# Altium PCB SDR.PcbDoc (part 1 of 5) (continued)
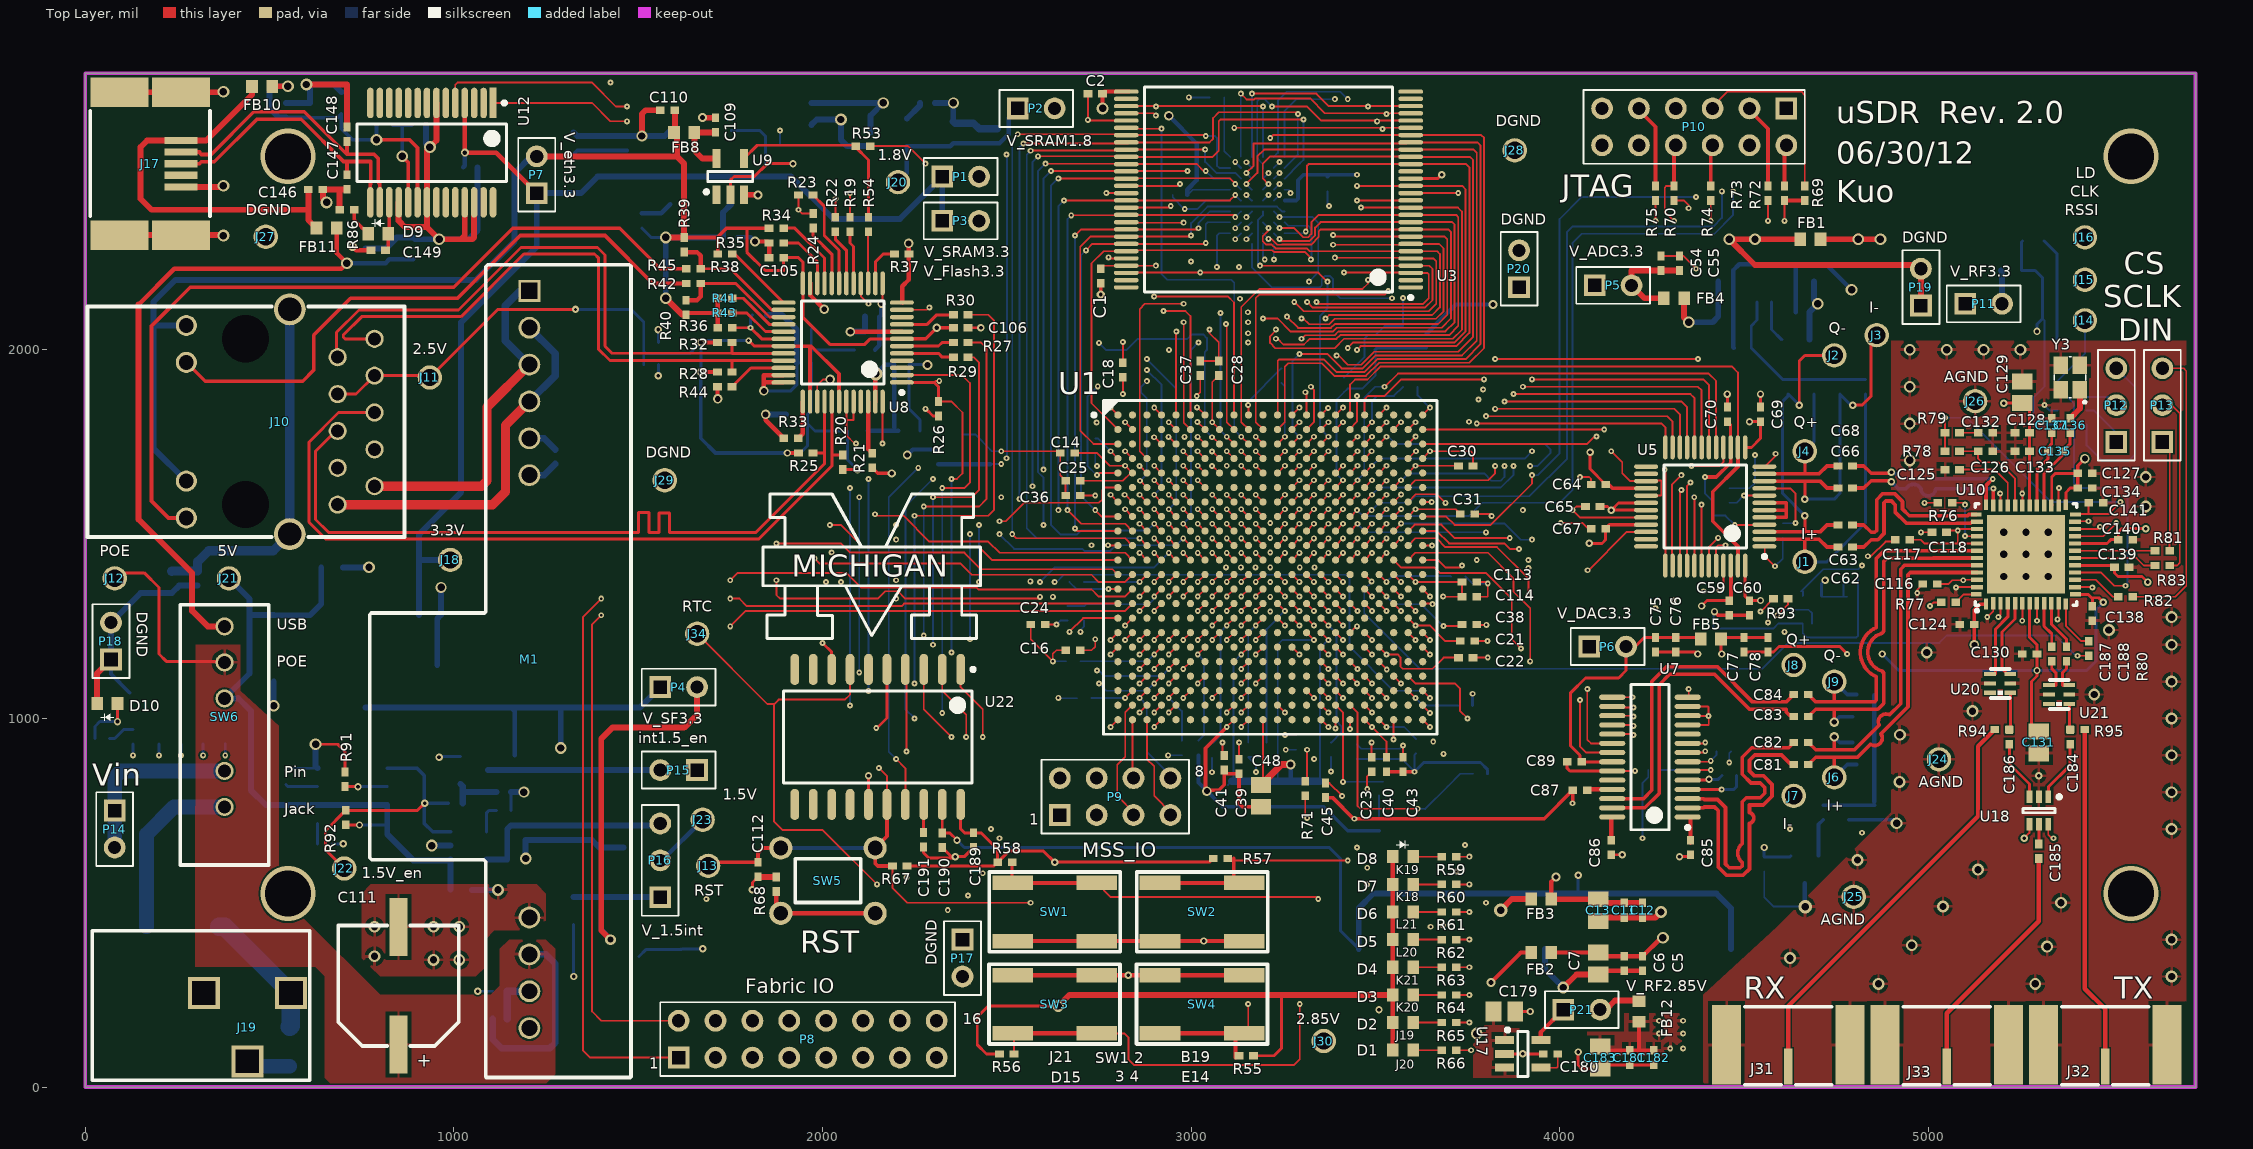
[diagram p0: Top Layer view]
## Components (designator, comment, footprint, x,y, rotation, side; value= is the part's Value field where it differs from the comment) (continued)
C127 "100pF" 0402 5425,1665 r180 top
C128 "0.1uF" 0402 5255,1775 r0 top
C129 "10uF" C0805 5255,1885 r90 top
C130 "100pF" 0402 5275,1175 r0 top
C131 "10uF" C0805 5300,935 r270 top
C132 "Cap Semi" 0402 5155,1775 r0 top
C133 "0.01uF" 0402 5255,1725 r0 top
C134 "0.01uF" 0402 5425,1625 r180 top
C135 "33pF" 0402 5345,1725 r180 top
C136 "1nF" 0402 5385,1795 r270 top
C137 "18pF" 0402 5335,1795 r270 top
C138 "100pF" 0402 5445,1285 r90 top
C139 "100pF" 0402 5525,1410 r180 top
C140 "0.01uF" 0402 5535,1485 r180 top
C141 "100pF" 0402 5455,1585 r180 top
C142 "0.1uF" 0402 1045,2495 r180 bottom
C143 "100pF" 0402 545,2650 r270 bottom
C144 "0.1uF" 0402 610,2650 r270 bottom
C145 "10uF" C0805 695,2670 r90 bottom
C146 "0.1uF" 0402 625,2435 r180 top
C147 "47pF" 0402 710,2455 r90 top
C148 "47pF" 0402 710,2585 r270 top
C149 "0.1uF" 0402 795,2270 r0 top
C150 "100pF" 0402 935.5,1205.5 r180 bottom
C151 "0.1uF" 0402 935.5,1145.5 r180 bottom
C152 "10uF" C0805 935.5,1280.5 r0 bottom
C153 "10uF" C0805 670,1410 r0 bottom
C154 "47uF" C1210 555,110 r90 bottom
C155 "100pF" 0402 2425,2580 r270 bottom
C156 "0.1uF" 0402 2475,2580 r270 bottom
C157 "100pF" 0402 815,2255 r270 bottom
C158 "0.1uF" 0402 760,2255 r270 bottom
C159 "10uF" C0805 1970,2640 r90 bottom
C160 "10uF" C0805 2355,2590 r90 bottom
C161 "10uF" C0805 890,2275 r90 bottom
C162 "0.01uF" 0402 2285,2670 r180 bottom
C163 "100pF" 0402 1195,690 r90 bottom
C164 "0.1uF" 0402 1375,690 r90 bottom
C165 "10uF" C0805 1020,535 r0 bottom
C166 "10uF" C0805 1460,680 r270 bottom
C167 "0.01uF" 0402 1135,750 r180 bottom
C168 "100pF" 0402 380,950 r90 bottom
C169 "0.1uF" 0402 320,950 r90 bottom
C170 "0.1uF" 0402 260,950 r90 bottom
C171 "0.1uF" 0402 200,950 r90 bottom
C172 "0.1uF" 0402 130,950 r90 bottom
C173 "10uF" C0805 150,1070 r180 bottom
C174 "100pF" 0402 1617.44,393.5 r90 bottom
C175 "0.1uF" 0402 1567.44,393.5 r90 bottom
C176 "10uF" C0805 1502.44,383.5 r270 bottom
C177 "0.1uF" 0402 650,660 r180 bottom
C178 "100pF" 0402 545,840 r270 bottom
C179 "10uF" C0805 3850,205 r0 top
C180 "0.01uF" 0402 3975,90 r0 top
C181 "100pF" 0402 4190,80 r90 top
C182 "0.1uF" 0402 4255,80 r90 top
C183 "10uF" C0805 4110,80 r270 top
C184 "100pF" 0402 5385,950 r90 top
C185 "100pF" 0402 5300,640 r90 top
C186 "100pF" 0402 5220,950 r90 top
C187 "Cap Semi" 0402 5335,1175 r270 top
C188 "Cap Semi" 0402 5375,1175 r270 top
C189 "0.1uF" 0402 2410,670 r90 top
C190 "0.1uF" 0402 2325,669.69 r90 top
C191 "0.1uF" 0402 2274,671 r90 top
D1 "LED2" 1608[0603] 3575,100 r0 top
D2 "LED2" 1608[0603] 3575,175 r0 top
D3 "LED2" 1608[0603] 3575,250 r0 top
D4 "LED2" 1608[0603] 3575,325 r0 top
D5 "LED2" 1608[0603] 3575,400 r0 top
D6 "LED2" 1608[0603] 3575,475 r0 top
D7 "LED2" 1608[0603] 3575,550 r0 top
D8 "LED2" 1608[0603] 3575,625 r0 top
D9 "LED2" 1608[0603] 795,2315 r180 top
D10 "LED2" 1608[0603] 60,1040 r180 top
FB1 "BLM18PG300SN1D" 1608[0603] 4680,2300 r180 top
FB2 "BLM18PG300SN1D" 1608[0603] 3950,365 r0 top
FB3 "BLM18PG300SN1D" 1608[0603] 3950,510 r0 top
FB4 "BLM18PG300SN1D" 1608[0603] 4310,2140 r0 top
FB5 "BLM18PG300SN1D" 1608[0603] 4410,1215 r0 top
FB6 "BLM18PG300SN1D" 1608[0603] 2115,2000 r180 bottom
FB7 "BLM18PG300SN1D" 1608[0603] 2095,1780 r180 bottom
FB8 "BLM18PG300SN1D" 1608[0603] 1625,2590 r180 top
FB9 "BLM18PG300SN1D" 1608[0603] 5225,2215 r0 bottom
FB10 "BLM18PG300SN1D" 1608[0603] 480,2715 r0 top
FB11 "BLM18PG300SN1D" 1608[0603] 655,2330 r0 top
FB12 "BLM18PG300SN1D" 1608[0603] 4215,205 r270 top
J1 "5004" TestPoint 4665,1425 r90 top
J2 "5004" TestPoint 4745,1985 r90 top
J3 "5004" TestPoint 4860,2040 r180 top
J4 "5004" TestPoint 4665,1725 r180 top
J5 "3002TR" 3002TR 3960,375 r0 bottom locked
J6 "5004" TestPoint 4745,840 r0 top
J7 "5004" TestPoint 4635,790 r0 top
J8 "5004" TestPoint 4635,1145 r0 top
J9 "5004" TestPoint 4745,1100 r0 top
J10 "7499211121A" 7499211121A 435,1805 r90 top locked
J11 "5004" TestPoint 935,1925 r0 top
J12 "5004" TestPoint 80,1380 r90 top
J13 "5004" TestPoint 1690,600 r90 top
J14 "5004" TestPoint 5425,2080 r90 top
J15 "5004" TestPoint 5425,2190 r90 top
J16 "5004" TestPoint 5425,2305 r90 top
J17 "54819-0572" "Mini USB" 260,2505 r0 top locked
J18 "5004" TestPoint 990,1430 r90 top
J19 "PJ-102AH" PJ-102AH 440,255 r90 top locked
J20 "5004" TestPoint 2205,2455 r90 top
J21 "5004" TestPoint 390,1380 r0 top
J22 "5004" TestPoint 703,593 r90 top
J23 "5004" TestPoint 1675,725 r90 top
J24 "5004" TestPoint 5029,889 r90 top
J25 "5004" TestPoint 4798,516 r90 top
J26 "5004" TestPoint 5127,1861 r90 top
J27 "5004" TestPoint 490,2307 r0 top
J28 "5004" TestPoint 3878,2541 r90 top
J29 "5004" TestPoint 1572,1646 r90 top
J30 "5004" TestPoint 3360,125 r90 top
J31 "142-0701-851" SMA_SMD 4620,100 r180 top
J32 "142-0701-851" SMA_SMD 5480,100 r180 top
J33 "142-0701-851" SMA_SMD 5050,100 r180 top
J34 "5004" TestPoint 1660,1230 r90 top
L1 "33nH" 0402 2315,1710 r90 bottom
L2 "33nH" 0402 3640,2025 r90 bottom
L3 "33nH" 0402 2665,1285 r90 bottom
L4 "FP3-8R2-R" FLAT-PAC 265,435 r270 bottom
M1 "AG9205S" AG9205S 1205,2160 r270 top locked
P1 "1 x 2 header" "1x2 header" 2375,2470 r0 top
P2 "1 x 2 header" "1x2 header" 2580,2655 r0 top
P3 "1 x 2 header" "1x2 header" 2375,2350 r0 top
P4 "1 x 2 header" "1x2 header" 1610,1085 r0 top
P5 "1 x 2 header" "1x2 header" 4145,2175 r0 top
P6 "1 x 2 header" "1x2 header" 4130,1195 r0 top
P7 "1 x 2 header" "1x2 header" 1225,2475 r90 top
P8 "2 x 8 header" "2x8 header" 1960,130 r0 top
P9 "2 x 4 header" "2x4 header" 2794,788 r0 top
P10 "2 x 6 header" "2x6 header, right angle" 4365,2605 r180 top locked
P11 "1 x 2 header" "1x2 header" 5150,2125 r0 top
P12 "1 x 3 header" "1x3 header" 5510,1850 r90 top
P13 "1 x 3 header" "1x3 header" 5635,1850 r90 top
P14 "1 x 2 header" "1x2 header" 80,700 r270 top
P15 "1 x 2 header" "1x2 header" 1610,860 r180 top
P16 "1 x 3 header" "1x3 header" 1560,615 r90 top
P17 "1 x 2 header" "1x2 header" 2380,350 r270 top
P18 "1 x 2 header" "1x2 header" 70,1210 r90 top
P19 "1 x 2 header" "1x2 header" 4980,2170 r90 top
P20 "1 x 2 header" "1x2 header" 3890,2220 r90 top
P21 "1 x 2 header" "1x2 header" 4060,210 r0 top
Q1 "MMBT2222A" SOT23-3N 1055,860 r0 bottom
Q2 "MMBT2222A" SOT23-3N 1362.44,478.5 r0 bottom
R1 "10K" 0402 3070,2685 r0 bottom
R2 "820" 0402 4555,2130 r0 bottom
R3 "Res3" 0402 4500,2065 r0 bottom
R4 "3.3K" 0402 4830,1900 r90 bottom
R5 "3.3K" 0402 4620,1900 r90 bottom
R6 "3.3K" 0402 4760,1900 r90 bottom
R7 "3.3K" 0402 4690,1900 r90 bottom
R8 "10K" 0402 4460,1605 r270 bottom
R9 "10K" 0402 4605,1510 r90 bottom
R10 "10K" 0402 4415,1570 r270 bottom
R11 "270" 0402 4715,745 r90 bottom
R12 "1.2K" 0402 4785,745 r270 bottom
R13 "3.3K" 0402 4825,875 r0 bottom
R14 "3.3K" 0402 4825,935 r0 bottom
R15 "3.3K" 0402 4825,1005 r0 bottom
R16 "3.3K" 0402 4825,1065 r0 bottom
R17 "10K" 0402 4260,860 r0 bottom
R18 "10K" 0402 4445,910 r180 bottom
R19 "33" 0402 2075,2340 r270 top
R20 "49.9" 0402 2055,1695 r90 top
R21 "10K" 0402 2135,1700 r270 top
R22 "33" 0402 2035,2340 r270 top
R23 "10K" 0402 1955,2420 r0 top
R24 "10K" 0402 1975,2350 r270 top
R25 "49.9" 0402 1955,1720 r0 top
R26 "4.7K" 0402 2315,1840 r270 top
R27 "33" 0402 2375,2020 r180 top
R28 "49.9" 0402 1735,1940 r0 top
R29 "33" 0402 2375,1980 r180 top
R30 "33" 0402 2375,2095 r180 top
R31 "Res3" 0402 1830,2095 r0 bottom
R32 "49.9" 0402 1735,2020 r0 top
R33 "6.49K" 0402 1915,1760 r180 top
R34 "10K" 0402 1875,2330 r0 top
R35 "10K" 0402 1875,2290 r0 top
R36 "4.7K" 0402 1735.32,2060 r180 top
R37 "10K" 0402 2215,2260 r180 top
R38 "4.7K" 0402 1735.32,2260 r180 top
R39 "10K" 0402 1625,2285 r90 top
R40 "10K" 0402 1630,2115 r270 top
R41 "10K" 0402 1735.32,2140 r180 top
R42 "270" 0402 1650,2180 r180 top
R43 "10K" 0402 1735.32,2100 r180 top
R44 "10K" 0402 1735,1900 r0 top
R45 "270" 0402 1650,2220 r180 top
R46 "5M" J1-0603 235,1370 r90 bottom
R47 "Res3" 0402 1125,185 r180 bottom
R48 "Res3" 0402 1125,260 r180 bottom
R49 "10K" 0402 1510,2350 r90 bottom
R50 "698" 0402 1275,1710 r270 bottom
R51 "33" 0402 1865,2555 r0 bottom
R52 "33" 0402 1865,2505 r0 bottom
R53 "33" 0402 2110,2552.6 r0 top
R54 "33" 0402 2125,2340 r270 top
R55 "10K" 0402 3150,85 r0 top
R56 "10K" 0402 2500,90 r180 top
R57 "10K" 0402 3080,620 r180 top
R58 "10K" 0402 2495,610 r180 top
R59 "750" 0402 3700,625 r180 top
R60 "750" 0402 3700,550 r180 top
R61 "750" 0402 3700,475 r180 top
R62 "750" 0402 3700,400 r180 top
R63 "750" 0402 3700,325 r180 top
R64 "750" 0402 3700,250 r180 top
R65 "750" 0402 3700,175 r180 top
R66 "750" 0402 3700,100 r180 top
R67 "10K" 0402 2210,600 r0 top
R68 "49.9" 0402 1875,550 r270 top
R69 "1K" 0402 4665,2425 r270 top
R70 "1K" 0402 4310,2425 r90 top
R71 "1K" 0402 3310,810 r90 top
R72 "33" 0402 4610,2425 r270 top
R73 "33" 0402 4565,2425 r90 top
R74 "33" 0402 4410,2425 r270 top
R75 "33" 0402 4260,2425 r90 top
R76 "1.2K" 0402 5045,1585 r0 top
R77 "1.2K" 0402 5055,1315 r0 top
R78 "750" 0402 5065,1725 r0 top
R79 "1.2K" 0402 5065,1775 r180 top
R80 "1.2K" 0402 5435,1190 r90 top
R81 "1.2K" 0402 5635,1455 r0 top
R82 "1.2K" 0402 5535,1330 r0 top
R83 "1.2K" 0402 5635,1415 r0 top
R84 "1K" 0402 810,2610 r180 bottom
R85 "1K" 0402 905,2610 r180 bottom
R86 "750" 0402 710,2380 r0 top
R87 "10K" 0402 1165,880 r90 bottom
R88 "1K" 0402 46,946 r180 bottom
R89 "10K" 0402 1005,770 r180 bottom
R90 "6.49K" 0402 1135,800 r0 bottom
R91 "10K" 0402 705,835 r270 top
R92 "10K" 0402 707,731 r90 top
R93 "1.2K" 0402 4600,1325 r0 top
R94 "Res3" 0402 5200,970 r0 top
R95 "Res3" 0402 5405,970 r180 top
SW1 "Switch 4-lead" KSC403 2630,475 r0 top
SW2 "Switch 4-lead" KSC403 3030,475 r0 top
SW3 "Switch 4-lead" KSC403 2630,225 r180 top
SW4 "Switch 4-lead" KSC403 3030,225 r180 top
SW5 "Switch 4-lead" "EVQPA PB" 2015,560 r180 top
SW6 "STS1400PC04" STS1400PC04 378,760 r90 top
U1 "A2F500M3G-FGG484" BGA100P22X22-484N 3215,1410 r0 top locked
U2 "MT45W8MW16BGX-701 IT TR" BGA54C75P9X6_1000X800X70 3180,2405 r180 bottom locked
U3 "S29GL064N90TFI010" TSSOP50P2000X120-56N 3210,2435 r180 top locked
U4 "MAX6061AEUR+T" SOT23-3N 4640,2065 r90 bottom
U5 "AD9288BSTZ-100" TSQFP50P900X900X160-48N 4395,1575 r180 top locked
U6 "MAX6061AEUR+T" SOT23-3N 4665,590 r270 bottom
U7 "MAX5189BEEI+" SOP63P600X173-28N 4245,895 r180 top locked
U8 "KSZ8721CL" TSQFP50P900X900X160-48N 2055,2020 r180 top
U9 "SN74LVC1G04DBVR" SOT23-5 1750,2470 r90 top
U10 "MAX2831ETM+" TQFN-48 5265,1445 r90 top
U11 "ADC081S101" SOT23-6 5390,1835 r0 bottom
U12 "FT232RL" SSOP65P780X200-28N 940,2535 r270 top
U13 "LT1117CST-3.3#PBF" SOT223-4L 635.5,1190.5 r0 bottom locked
U14 "TPS78918DBVR" SOT23-5 2180,2590 r0 bottom
U15 "TPS73115DBVT" SOT23-5 1040,655 r0 bottom
U16 "TL7702AIDR" SOIC127P600X175-8N 725,790 r0 bottom
U17 "REG102NA-2.85/250" SOT23-5 3900,90 r0 top
U18 "AS213-92LF" SOT363-6N 5300,750 r270 top
U19 "74AUP1GU04" SOT353-5N 4685,1295 r90 bottom
U20 "HHM1520A2" HHM1520A2 5195,1095 r180 top
U21 "HHM1520A2" HHM1520A2 5355,1065 r180 top
U22 "PCF2127A" SOIC127P1030X265-20N 2150,950 r270 top
Y1 "ABM3-20.000MHZ-B2-T" ABM3 3615,815 r0 bottom
Y2 "CB3LV-3C-50M0000" CB3_CB3LV 1670,2495 r90 bottom
Y3 "CX2520SB40000H0DZF08" CX-2520SB 5385,1925 r90 top

## Footprints (in the part's own frame and the unit in brackets; to place one, negate y for a bottom-side part, rotate by r counter-clockwise, add the part's x,y. Pads: shape width x height; smd on the part's side, far side on the other; paste and mask are expansions set on the pad)
"1x2 header" [mm] "1x2 header, 100 mils"
  rect 1.5x1.5 hole 0.9 square: 1(-1.27,0)
  round 1.5 hole 0.9: 2(1.27,0)
  silkscreen extent -2.54,-1.27 2.54,1.27, body extent -2.53,-1.26 2.53,1.26, height 8.38
"1x3 header" [mm] "1x3 header, 100 mils"
  rect 1.5x1.5 hole 0.9 square: 1(-2.54,0)
  round 1.5 hole 0.9: 2(0,0) 3(2.54,0)
  silkscreen extent -3.81,-1.27 3.81,1.27, body extent -3.8,-1.25 3.8,1.25, height 8.38
"2x4 header" [mm] "2x4 header, 100 mils"
  rect 1.5x1.5 hole 0.9 square: 1(-3.81,-1.27)
  round 1.5 hole 0.9: 2(-3.81,1.27) 3(-1.27,-1.27) 4(-1.27,1.27) 5(1.27,-1.27) 6(1.27,1.27) 7(3.81,-1.27) 8(3.81,1.27)
  silkscreen extent -5.08,-2.54 5.08,2.54, body extent -5.08,-2.53 5.08,2.54, height 8.38
"2x6 header, right angle" [mm] "2x6 header, 100 mils, right angle"
  rect 1.5x1.5 hole 0.9 square: 1(-6.35,-1.27)
  round 1.5 hole 0.9: 2(-6.35,1.27) 3(-3.81,-1.27) 4(-3.81,1.27) 5(-1.27,-1.27) 6(-1.27,1.27) 7(1.27,-1.27) 8(1.27,1.27) 9(3.81,-1.27) 10(3.81,1.27) 11(6.35,-1.27) 12(6.35,1.27)
  silkscreen extent -7.62,-2.54 7.62,2.54, body extent -7.63,-11.21 7.61,1.58, height 4.83
"2x8 header" [mm] "2x8 header, 100 mils"
  rect 1.5x1.5 hole 0.9 square: 1(-8.89,-1.27)
  round 1.5 hole 0.9: 2(-8.89,1.27) 3(-6.35,-1.27) 4(-6.35,1.27) 5(-3.81,-1.27) 6(-3.81,1.27) 7(-1.27,-1.27) 8(-1.27,1.27) 9(1.27,-1.27) 10(1.27,1.27) 11(3.81,-1.27) 12(3.81,1.27) 13(6.35,-1.27) 14(6.35,1.27) 15(8.89,-1.27) 16(8.89,1.27)
  silkscreen extent -10.16,-2.54 10.16,2.54, body extent -10.16,-2.54 10.16,2.54, height 8.38
0402 [mm] "Chip Capacitor, Body 1.0x0.5mm, IPC High Density"
  rect 0.6x0.5 smd: 1(-0.5,0) 2(0.5,0)
  body extent -0.55,-0.3 0.55,0.3, height 1.3
1608[0603] [mm] "Chip Capacitor, Body 1.6x0.8mm, IPC High Density"
  rect 0.8x0.9 smd: 1(-0.7,0) 2(0.7,0)
  body extent -0.87,-0.48 0.87,0.48, height 1.3
3002TR [mm] "Coin battery holder 20mm (dia)"
  rect 3.96x3.96 smd: neg(0,0)
  rect 5.08x5.08 smd: pos(-12.825,0) pos(12.825,0)
  silkscreen extent -10.29,-10.75 10.29,9.12, body extent -10.35,-10.71 10.27,9.1, height 3.96
7499211121A [mm] "RJ45 PoE"
  round 1.25 hole 0.9: 1(5.715,-8.89) 2(4.445,-6.35) 3(3.175,-8.89) 4(1.905,-6.35) 5(0.635,-8.89) 6(-0.635,-6.35) 7(-1.905,-8.89) 8(-3.175,-6.35) 9(-4.445,-8.89) 10(-5.715,-6.35)
  round 1.45 hole 1.02: 11(6.63,4.08) 12(4.09,4.08) 13(-4.09,4.08) 14(-6.63,4.08)
  round 2.2 hole 1.6: 15(7.745,-3.05) 16(-7.745,-3.05)
  round 0 hole 3.25: ""(-5.715,0) ""(5.715,0)
  silkscreen extent -7.94,-10.95 7.94,10.89, body extent -7.92,-10.95 7.95,10.87, height 13.95
ABM3 [mm] "ABM3 Crystal"
  rect 1.9x2.4 smd: 1(-2.05,0) 2(2.05,0)
  silkscreen extent -2.5,-1.6 2.5,1.6, body extent -2.75,-1.38 2.75,1.38, height 1.5
AG9205S [mm] "AG9205S 5V POE"
  rect 1.5x1.5 hole 1.1 square: 1(0,0)
  round 1.5 hole 1.1: 2(2.54,0) 3(5.08,0) 4(7.62,0) 5(10.16,0) 6(12.7,0) 7(43.18,0) 8(45.72,0) 9(48.26,0) 10(50.8,0)
  silkscreen extent -1.8,-11 54.2,7, body extent -1.75,-10.94 54.18,7.03, height 14
BGA54C75P9X6_1000X800X70 [mm] "BGA, 54-Leads, Body 10.0x8.0mm,  Pitch 0.75mm"
  round 0.3 smd: A1(-1.875,3) A2(-1.125,3) A3(-0.375,3) A4(0.375,3) A5(1.125,3) A6(1.875,3) B1(-1.875,2.25) B2(-1.125,2.25) B3(-0.375,2.25) B4(0.375,2.25) B5(1.125,2.25) B6(1.875,2.25) C1(-1.875,1.5) C2(-1.125,1.5) C3(-0.375,1.5) C4(0.375,1.5) C5(1.125,1.5) C6(1.875,1.5) D1(-1.875,0.75) D2(-1.125,0.75) D3(-0.375,0.75) D4(0.375,0.75) D5(1.125,0.75) D6(1.875,0.75) E1(-1.875,0) E2(-1.125,0) E3(-0.375,0) E4(0.375,0) E5(1.125,0) E6(1.875,0) F1(-1.875,-0.75) F2(-1.125,-0.75) F3(-0.375,-0.75) F4(0.375,-0.75) F5(1.125,-0.75) F6(1.875,-0.75) G1(-1.875,-1.5) G2(-1.125,-1.5) G3(-0.375,-1.5) G4(0.375,-1.5) G5(1.125,-1.5) G6(1.875,-1.5) H1(-1.875,-2.25) H2(-1.125,-2.25) H3(-0.375,-2.25) H4(0.375,-2.25) H5(1.125,-2.25) H6(1.875,-2.25) J1(-1.875,-3) J2(-1.125,-3) J3(-0.375,-3) J4(0.375,-3) J5(1.125,-3) J6(1.875,-3)
  silkscreen extent -4.78,-5 4,5, body extent -4,-5 4,5, height 0.7
BGA100P22X22-484N [mm] "484-Ball Fine Pitch Plastic Ball Grid Array (FG484) - Fully Populated"
  round 0.5 smd: A1(-10.5,10.5) A2(-9.5,10.5) A3(-8.5,10.5) A4(-7.5,10.5) A5(-6.5,10.5) A6(-5.5,10.5) A7(-4.5,10.5) A8(-3.5,10.5) A9(-2.5,10.5) A10(-1.5,10.5) A11(-0.5,10.5) A12(0.5,10.5) A13(1.5,10.5) A14(2.5,10.5) A15(3.5,10.5) A16(4.5,10.5) A17(5.5,10.5) A18(6.5,10.5) A19(7.5,10.5) A20(8.5,10.5) A21(9.5,10.5) A22(10.5,10.5) AA1(-10.5,-9.5) AA2(-9.5,-9.5) AA3(-8.5,-9.5) AA4(-7.5,-9.5) AA5(-6.5,-9.5) AA6(-5.5,-9.5) AA7(-4.5,-9.5) AA8(-3.5,-9.5) AA9(-2.5,-9.5) AA10(-1.5,-9.5) AA11(-0.5,-9.5) AA12(0.5,-9.5) AA13(1.5,-9.5) AA14(2.5,-9.5) AA15(3.5,-9.5) AA16(4.5,-9.5) AA17(5.5,-9.5) AA18(6.5,-9.5) AA19(7.5,-9.5) AA20(8.5,-9.5) AA21(9.5,-9.5) AA22(10.5,-9.5) AB1(-10.5,-10.5) AB2(-9.5,-10.5) AB3(-8.5,-10.5) AB4(-7.5,-10.5) AB5(-6.5,-10.5) AB6(-5.5,-10.5) AB7(-4.5,-10.5) AB8(-3.5,-10.5) AB9(-2.5,-10.5) AB10(-1.5,-10.5) AB11(-0.5,-10.5) AB12(0.5,-10.5) AB13(1.5,-10.5) AB14(2.5,-10.5) AB15(3.5,-10.5) AB16(4.5,-10.5) AB17(5.5,-10.5) AB18(6.5,-10.5) AB19(7.5,-10.5) AB20(8.5,-10.5) AB21(9.5,-10.5) AB22(10.5,-10.5) B1(-10.5,9.5) B2(-9.5,9.5) B3(-8.5,9.5) B4(-7.5,9.5) B5(-6.5,9.5) B6(-5.5,9.5) B7(-4.5,9.5) B8(-3.5,9.5) B9(-2.5,9.5) B10(-1.5,9.5) B11(-0.5,9.5) B12(0.5,9.5) B13(1.5,9.5) B14(2.5,9.5) B15(3.5,9.5) B16(4.5,9.5) B17(5.5,9.5) B18(6.5,9.5) B19(7.5,9.5) B20(8.5,9.5) B21(9.5,9.5) B22(10.5,9.5) C1(-10.5,8.5) C2(-9.5,8.5) C3(-8.5,8.5) C4(-7.5,8.5) C5(-6.5,8.5) C6(-5.5,8.5) C7(-4.5,8.5) C8(-3.5,8.5) C9(-2.5,8.5) C10(-1.5,8.5) C11(-0.5,8.5) C12(0.5,8.5) C13(1.5,8.5) C14(2.5,8.5) C15(3.5,8.5) C16(4.5,8.5) C17(5.5,8.5) C18(6.5,8.5) C19(7.5,8.5) C20(8.5,8.5) C21(9.5,8.5) C22(10.5,8.5) D1(-10.5,7.5) D2(-9.5,7.5) D3(-8.5,7.5) D4(-7.5,7.5) D5(-6.5,7.5) D6(-5.5,7.5) D7(-4.5,7.5) D8(-3.5,7.5) D9(-2.5,7.5) D10(-1.5,7.5) D11(-0.5,7.5) D12(0.5,7.5) D13(1.5,7.5) D14(2.5,7.5) D15(3.5,7.5) D16(4.5,7.5) D17(5.5,7.5) D18(6.5,7.5) D19(7.5,7.5) D20(8.5,7.5) D21(9.5,7.5) D22(10.5,7.5) E1(-10.5,6.5) E2(-9.5,6.5) E3(-8.5,6.5) E4(-7.5,6.5) E5(-6.5,6.5) E6(-5.5,6.5) E7(-4.5,6.5) E8(-3.5,6.5) E9(-2.5,6.5) E10(-1.5,6.5) E11(-0.5,6.5) E12(0.5,6.5) E13(1.5,6.5) E14(2.5,6.5) E15(3.5,6.5) E16(4.5,6.5) E17(5.5,6.5) E18(6.5,6.5) E19(7.5,6.5) E20(8.5,6.5) E21(9.5,6.5) E22(10.5,6.5) F1(-10.5,5.5) F2(-9.5,5.5) F3(-8.5,5.5) F4(-7.5,5.5) F5(-6.5,5.5) F6(-5.5,5.5) F7(-4.5,5.5) F8(-3.5,5.5) F9(-2.5,5.5) F10(-1.5,5.5) F11(-0.5,5.5) F12(0.5,5.5) F13(1.5,5.5) F14(2.5,5.5) F15(3.5,5.5) F16(4.5,5.5) F17(5.5,5.5) F18(6.5,5.5) F19(7.5,5.5) F20(8.5,5.5) F21(9.5,5.5) F22(10.5,5.5) G1(-10.5,4.5) G2(-9.5,4.5) G3(-8.5,4.5) G4(-7.5,4.5) G5(-6.5,4.5) G6(-5.5,4.5) G7(-4.5,4.5) G8(-3.5,4.5) G9(-2.5,4.5) G10(-1.5,4.5) G11(-0.5,4.5) G12(0.5,4.5) G13(1.5,4.5) G14(2.5,4.5) G15(3.5,4.5) G16(4.5,4.5) G17(5.5,4.5) G18(6.5,4.5) G19(7.5,4.5) G20(8.5,4.5) G21(9.5,4.5) G22(10.5,4.5) H1(-10.5,3.5) H2(-9.5,3.5) H3(-8.5,3.5) H4(-7.5,3.5) H5(-6.5,3.5) H6(-5.5,3.5) H7(-4.5,3.5) H8(-3.5,3.5) H9(-2.5,3.5) H10(-1.5,3.5) H11(-0.5,3.5) H12(0.5,3.5) H13(1.5,3.5) H14(2.5,3.5) H15(3.5,3.5) H16(4.5,3.5) H17(5.5,3.5) H18(6.5,3.5) H19(7.5,3.5) H20(8.5,3.5) H21(9.5,3.5) H22(10.5,3.5) J1(-10.5,2.5) J2(-9.5,2.5) J3(-8.5,2.5) J4(-7.5,2.5) J5(-6.5,2.5) J6(-5.5,2.5) J7(-4.5,2.5) J8(-3.5,2.5) J9(-2.5,2.5) J10(-1.5,2.5) J11(-0.5,2.5) J12(0.5,2.5) J13(1.5,2.5) J14(2.5,2.5) J15(3.5,2.5) J16(4.5,2.5) J17(5.5,2.5) J18(6.5,2.5) J19(7.5,2.5) J20(8.5,2.5) J21(9.5,2.5) J22(10.5,2.5) K1(-10.5,1.5) K2(-9.5,1.5) K3(-8.5,1.5) K4(-7.5,1.5) K5(-6.5,1.5) K6(-5.5,1.5) K7(-4.5,1.5) K8(-3.5,1.5) K9(-2.5,1.5) K10(-1.5,1.5) K11(-0.5,1.5) K12(0.5,1.5) K13(1.5,1.5) K14(2.5,1.5) K15(3.5,1.5) K16(4.5,1.5) K17(5.5,1.5) K18(6.5,1.5) K19(7.5,1.5) K20(8.5,1.5) K21(9.5,1.5) K22(10.5,1.5) L1(-10.5,0.5) L2(-9.5,0.5) L3(-8.5,0.5) L4(-7.5,0.5) L5(-6.5,0.5) L6(-5.5,0.5) L7(-4.5,0.5) L8(-3.5,0.5) L9(-2.5,0.5) L10(-1.5,0.5) L11(-0.5,0.5) L12(0.5,0.5) L13(1.5,0.5) L14(2.5,0.5) L15(3.5,0.5) L16(4.5,0.5) L17(5.5,0.5) L18(6.5,0.5) L19(7.5,0.5) L20(8.5,0.5) L21(9.5,0.5) L22(10.5,0.5) M1(-10.5,-0.5) M2(-9.5,-0.5) M3(-8.5,-0.5) M4(-7.5,-0.5) M5(-6.5,-0.5) M6(-5.5,-0.5) M7(-4.5,-0.5) M8(-3.5,-0.5) M9(-2.5,-0.5) M10(-1.5,-0.5) M11(-0.5,-0.5) M12(0.5,-0.5) M13(1.5,-0.5) M14(2.5,-0.5) M15(3.5,-0.5) M16(4.5,-0.5) M17(5.5,-0.5) M18(6.5,-0.5) M19(7.5,-0.5) M20(8.5,-0.5) M21(9.5,-0.5) M22(10.5,-0.5) N1(-10.5,-1.5) N2(-9.5,-1.5) N3(-8.5,-1.5) N4(-7.5,-1.5) N5(-6.5,-1.5) N6(-5.5,-1.5) N7(-4.5,-1.5) N8(-3.5,-1.5) N9(-2.5,-1.5) N10(-1.5,-1.5) N11(-0.5,-1.5) N12(0.5,-1.5) N13(1.5,-1.5) N14(2.5,-1.5) N15(3.5,-1.5) N16(4.5,-1.5) N17(5.5,-1.5) N18(6.5,-1.5) N19(7.5,-1.5) N20(8.5,-1.5) N21(9.5,-1.5) N22(10.5,-1.5) P1(-10.5,-2.5) P2(-9.5,-2.5) P3(-8.5,-2.5) P4(-7.5,-2.5) P5(-6.5,-2.5) P6(-5.5,-2.5) P7(-4.5,-2.5) P8(-3.5,-2.5) P9(-2.5,-2.5) P10(-1.5,-2.5) P11(-0.5,-2.5) P12(0.5,-2.5) P13(1.5,-2.5) P14(2.5,-2.5) P15(3.5,-2.5) P16(4.5,-2.5) P17(5.5,-2.5) P18(6.5,-2.5) P19(7.5,-2.5) P20(8.5,-2.5) P21(9.5,-2.5) P22(10.5,-2.5) R1(-10.5,-3.5) R2(-9.5,-3.5) R3(-8.5,-3.5) R4(-7.5,-3.5) R5(-6.5,-3.5) R6(-5.5,-3.5) R7(-4.5,-3.5) R8(-3.5,-3.5) R9(-2.5,-3.5) R10(-1.5,-3.5) R11(-0.5,-3.5) R12(0.5,-3.5) R13(1.5,-3.5) R14(2.5,-3.5) R15(3.5,-3.5) R16(4.5,-3.5) R17(5.5,-3.5) R18(6.5,-3.5) R19(7.5,-3.5) R20(8.5,-3.5) R21(9.5,-3.5) R22(10.5,-3.5) T1(-10.5,-4.5) T2(-9.5,-4.5) T3(-8.5,-4.5) T4(-7.5,-4.5) T5(-6.5,-4.5) T6(-5.5,-4.5) T7(-4.5,-4.5) T8(-3.5,-4.5) T9(-2.5,-4.5) T10(-1.5,-4.5) T11(-0.5,-4.5) T12(0.5,-4.5) T13(1.5,-4.5) T14(2.5,-4.5) T15(3.5,-4.5) T16(4.5,-4.5) T17(5.5,-4.5) T18(6.5,-4.5) T19(7.5,-4.5) T20(8.5,-4.5) T21(9.5,-4.5) T22(10.5,-4.5) U1(-10.5,-5.5) U2(-9.5,-5.5) U3(-8.5,-5.5) U4(-7.5,-5.5) U5(-6.5,-5.5) U6(-5.5,-5.5) U7(-4.5,-5.5) U8(-3.5,-5.5) U9(-2.5,-5.5) U10(-1.5,-5.5) U11(-0.5,-5.5) U12(0.5,-5.5) U13(1.5,-5.5) U14(2.5,-5.5) U15(3.5,-5.5) U16(4.5,-5.5) U17(5.5,-5.5) U18(6.5,-5.5) U19(7.5,-5.5) U20(8.5,-5.5) U21(9.5,-5.5) U22(10.5,-5.5) V1(-10.5,-6.5) V2(-9.5,-6.5) V3(-8.5,-6.5) V4(-7.5,-6.5) V5(-6.5,-6.5) V6(-5.5,-6.5) V7(-4.5,-6.5) V8(-3.5,-6.5) V9(-2.5,-6.5) V10(-1.5,-6.5) V11(-0.5,-6.5) V12(0.5,-6.5) V13(1.5,-6.5) V14(2.5,-6.5) V15(3.5,-6.5) V16(4.5,-6.5) V17(5.5,-6.5) V18(6.5,-6.5) V19(7.5,-6.5) V20(8.5,-6.5) V21(9.5,-6.5) V22(10.5,-6.5) W1(-10.5,-7.5) W2(-9.5,-7.5) W3(-8.5,-7.5) W4(-7.5,-7.5) W5(-6.5,-7.5) W6(-5.5,-7.5) W7(-4.5,-7.5) W8(-3.5,-7.5) W9(-2.5,-7.5) W10(-1.5,-7.5) W11(-0.5,-7.5) W12(0.5,-7.5) W13(1.5,-7.5) W14(2.5,-7.5) W15(3.5,-7.5) W16(4.5,-7.5) W17(5.5,-7.5) W18(6.5,-7.5) W19(7.5,-7.5) W20(8.5,-7.5) W21(9.5,-7.5) W22(10.5,-7.5) Y1(-10.5,-8.5) Y2(-9.5,-8.5) Y3(-8.5,-8.5) Y4(-7.5,-8.5) Y5(-6.5,-8.5) Y6(-5.5,-8.5) Y7(-4.5,-8.5) Y8(-3.5,-8.5) Y9(-2.5,-8.5) Y10(-1.5,-8.5) Y11(-0.5,-8.5) Y12(0.5,-8.5) Y13(1.5,-8.5) Y14(2.5,-8.5) Y15(3.5,-8.5) Y16(4.5,-8.5) Y17(5.5,-8.5) Y18(6.5,-8.5) Y19(7.5,-8.5) Y20(8.5,-8.5) Y21(9.5,-8.5) Y22(10.5,-8.5)
  silkscreen extent -12.27,-11.5 11.5,11.5, body extent -11.2,-11.22 11.22,11.2, height 2
C0805 [mm] "Chip Capacitor, Body 2.0x1.3mm, IPC High Density"
  rect 1.1x1.4 smd: 1(-0.75,0) 2(0.75,0)
  body extent -1.1,-0.72 1.1,0.72, height 1.4
C1210 [mm] "Chip Capacitor, Body 3.2x2.5mm, IPC High Density"
  rect 1.1x2.6 smd: 1(-1.35,0) 2(1.35,0)
  silkscreen extent -0.4,-1.2 0.4,1.2, body extent -1.7,-1.35 1.7,1.35, height 1.3
CB3_CB3LV [mm] "CBS Crystal"
  rect 1.8x2 smd: 1(-2.54,-2.1) 2(2.54,-2.1) 3(2.54,2.1) 4(-2.54,2.1)
  silkscreen extent -3.86,-2.6 3.75,2.6, body extent -3.25,-2.88 3.25,2.88, height 1.5
CX-2520SB [mm]
  rect 1.2x1 smd: 1(-0.85,-0.65) 2(0.85,-0.65) 3(0.85,0.65) 4(-0.85,0.65)
  silkscreen extent -1.75,-1.07 1.43,1.1, body extent -1.25,-1 1.25,1, height 0.45
"EVQPA PB" [mm] "Panasonic EVQPA Switch"
  round 1.6 hole 1: 1(-3.25,2.25) 2(-3.25,-2.25) 3(3.25,2.25) 4(3.25,-2.25)
  silkscreen extent -2.25,-1.5 2.25,1.5, body extent -3.5,-3 3.5,3, height 2.5
FLAT-PAC [mm]
  rect 4.5x2.5 smd: 1(0,-2.5) 2(0,2.5)
  silkscreen extent -2.5,-4 2.5,4, body extent -1.95,-3.49 1.95,3.49, height 1
HHM1520A2 [mm] "TDK chip balun"
  rect 0.8x0.3 smd: 1(-0.7,0.65) 2(-0.7,0) 3(-0.7,-0.65) 4(0.7,-0.65) 5(0.7,0) 6(0.7,0.65)
  silkscreen extent -0.65,-1 0.65,1, body extent -0.77,-1 0.77,1, height 1.5
J1-0603 [mm] "Chip Resistor, Body 1.6x0.8mm, IPC High Density"
  rect 0.7x0.9 smd: 1(-0.75,0) 2(0.75,0)
  silkscreen extent -0.2,-0.35 0.2,0.35, body extent -0.85,-0.48 0.85,0.48, height 0.9
KSC403 [mm] "KSC403 Series switch"
  rect 2.8x1 smd: 1(-2.9,2) 2(-2.9,-2) 3(2.9,2) 4(2.9,-2)
  silkscreen extent -4.5,-2.75 4.52,2.75, body extent -2.73,-2.5 2.75,2.5, height 6
"Mini USB" [mm]
  rect 2.25x0.5 smd: 1(0,1.6) 2(0,0.8) 3(0,0) 4(0,-0.8) 5(0,-1.6)
  rect 4x2.05 smd: 6(-4.25,-4.925) 6(-4.25,4.925) 6(0,-4.925) 6(0,4.925)
  silkscreen extent -6.25,-3.62 2,3.62
PJ-102AH [mm] "Power Jack"
  rect 2.2x2.2 hole 1.6 square: 1(0,-3) 2(0,3) 3(-4.7,0)
  silkscreen extent -6,-4.3 4.3,10.7, body extent -5.75,-3.99 4.08,10.89, height 10
SMA_SMD [mm]
  rect 0.6x2.5 smd: 1(0,1.125)
  rect 2x5.5 smd: 2(-4.25,-0.375) 2(4.25,-0.375)
  rect 2x5.5 smd far side: 2(-4.25,-0.375) 2(4.25,-0.375)
  silkscreen extent -3,-3 3,2.37, body extent -5.13,-2.25 5.13,9, height 4
"SMT Al Cap." [mm] "Panasonic SMT Al Cap. Series:S Type:V,  Size code:G"
  rect 1.25x4 smd: +(0,-4.05) -(0,4.05)
  silkscreen extent -4.15,-4.15 4.15,4.15, body extent -4.15,-4.15 4.15,4.15, height 10.2
SOIC127P600X175-8N [mm] "SOIC, 8-Leads, Body 5.0x4.0mm (max), Pitch 1.27mm, IPC Medium Density"
  oval 2.2x0.6 smd: 1(-2.4,1.905) 2(-2.4,0.635) 3(-2.4,-0.635) 4(-2.4,-1.905) 5(2.4,-1.905) 6(2.4,-0.635) 7(2.4,0.635) 8(2.4,1.905)
  silkscreen extent -2.52,-2.5 0.9,2.88, body extent -2,-2.5 2,2.5, height 1.75
SOIC127P1030X265-20N [mm] "SOIC, 20-Leads, Body 13.0x7.6mm (max), Pitch 1.27mm, IPC Medium Density"
  oval 2.15x0.6 smd: 1(-4.65,5.715) 2(-4.65,4.445) 3(-4.65,3.175) 4(-4.65,1.905) 5(-4.65,0.635) 6(-4.65,-0.635) 7(-4.65,-1.905) 8(-4.65,-3.175) 9(-4.65,-4.445) 10(-4.65,-5.715) 11(4.65,-5.715) 12(4.65,-4.445) 13(4.65,-3.175) 14(4.65,-1.905) 15(4.65,-0.635) 16(4.65,0.635) 17(4.65,1.905) 18(4.65,3.175) 19(4.65,4.445) 20(4.65,5.715)
  silkscreen extent -4.77,-6.5 3.18,6.69, body extent -3.8,-6.5 3.8,6.5, height 2.65
SOP63P600X173-28N [mm] "SOP, 28-Leads, Body 10.0x4.0mm (max), Pitch 0.63mm, IPC Medium Density"
  oval 1.8x0.35 smd: 1(-2.6,4.127) 2(-2.6,3.492) 3(-2.6,2.857) 4(-2.6,2.222) 5(-2.6,1.587) 6(-2.6,0.952) 7(-2.6,0.317) 8(-2.6,-0.318) 9(-2.6,-0.953) 10(-2.6,-1.588) 11(-2.6,-2.223) 12(-2.6,-2.858) 13(-2.6,-3.492) 14(-2.6,-4.127) 15(2.6,-4.127) 16(2.6,-3.492) 17(2.6,-2.857) 18(2.6,-2.222) 19(2.6,-1.587) 20(2.6,-0.952) 21(2.6,-0.317) 22(2.6,0.318) 23(2.6,0.953) 24(2.6,1.588) 25(2.6,2.223) 26(2.6,2.858) 27(2.6,3.492) 28(2.6,4.127)
  silkscreen extent -2.73,-5 1.3,5, body extent -1.99,-4.99 1.99,4.99, height 1.73
SOT23-3N [mm] "SOT23, 3-Leads, Body 2.9x1.3mm, Pitch 0.95mm, Lead Span 2.5mm, IPC Medium Density"
  rect 1.5x0.6 smd: 1(-0.95,0.95) 2(-0.95,-0.95) 3(0.95,0)
  silkscreen extent -1.07,-1.5 0.7,1.92, body extent -0.7,-1.5 0.7,1.5, height 1.1
SOT23-5 [mm] "SOT23, 5-Leads, Body 2.9x1.6mm, Pitch 0.95mm, Lead Span 2.8mm, IPC High Density"
  rect 1.3x0.55 smd: 1(-1.25,0.95) 2(-1.25,0) 3(-1.25,-0.95) 4(1.25,-0.95) 5(1.25,0.95)
  silkscreen extent -1.17,-1.55 0.35,1.77, body extent -0.67,-1.5 0.65,1.5, height 1.45
SOT23-6 [mm] "SOT23, 6-Leads, Body 2.8x2.6mm (max), Pitch 0.95mm, IPC Medium Density"
  rect 1.1x0.55 smd: 1(-1,0.95) 2(-1,0) 3(-1,-0.95) 4(1,-0.95) 5(1,0) 6(1,0.95)
  silkscreen extent -1.12,-1.4 0.05,1.9, body extent -0.83,-1.42 0.83,1.43, height 1.22